# Altium PCB PCB4.PcbDoc
Units mm, origin at the board's own origin, x right, y up, seen from the top; angles counter-clockwise.
Board outline 152.4 x 101.6 mm, 2 copper layers (Top Layer, Bottom Layer); 41 components, 33 nets, 123 pads, 12 vias.
Unrouted connection lines stored in the file: 62.
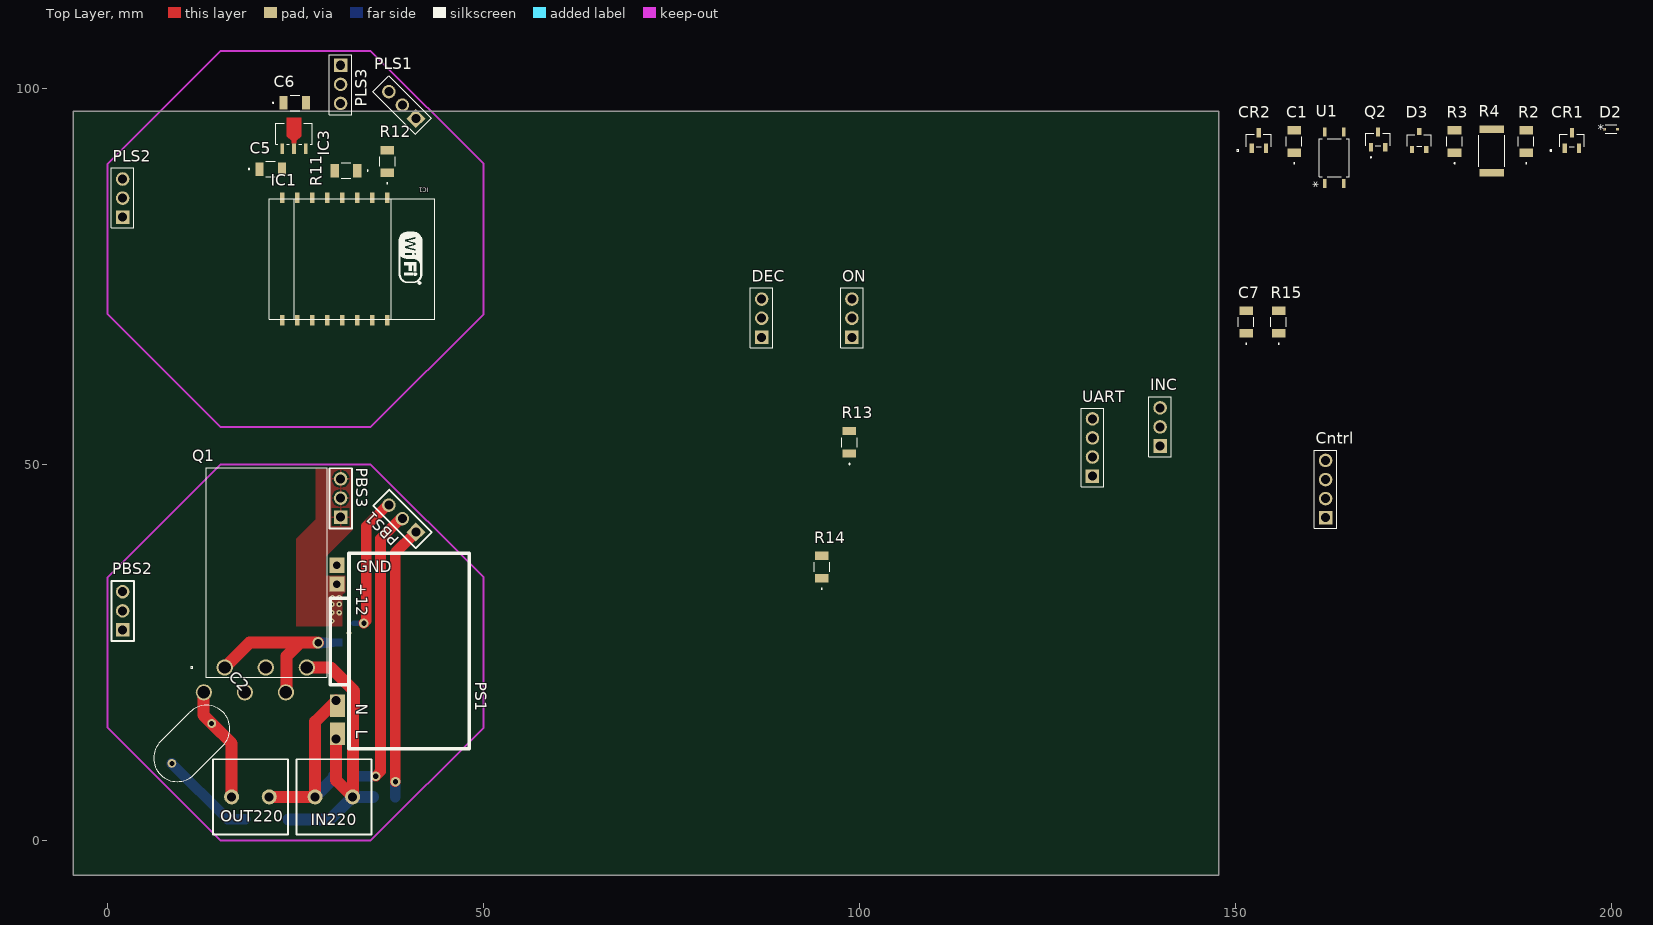
[diagram p0: Top Layer view]
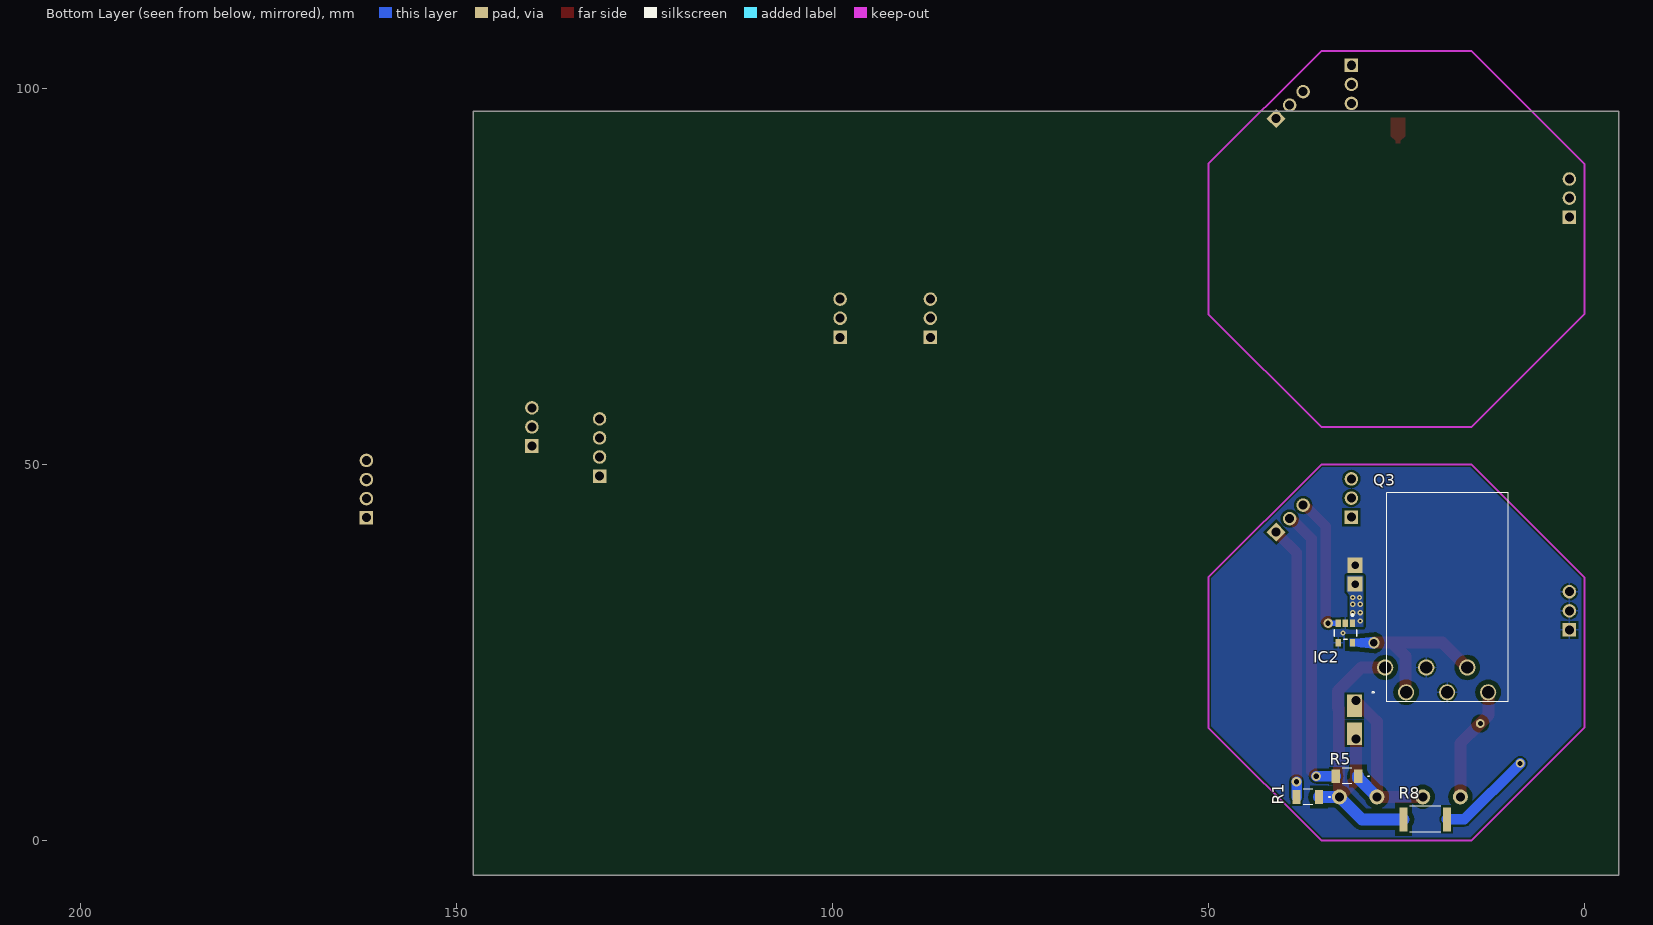
[diagram p1: Bottom Layer view, seen from below]

## Layer stack, top to bottom
Top Solder: solder mask 0.0102, Solder Resist, Dk 3.5
Top Layer: signal copper 0.0356
Dielectric 1: dielectric 0.32, FR-4, Dk 4.8
Bottom Layer: signal copper 0.0356
Bottom Solder: solder mask 0.0102, Solder Resist, Dk 3.5

## Board outline
-4.6,-4.6 147.8,-4.6 147.8,97 -4.6,97

## Design rules (kind name [scope] priority, off if disabled: settings)
Clearance Clearance_Polygons [(ObjectKind = 'Poly') And (Net = 'GNDA') vs (ObjectKind = 'Poly') And (Net = 'VCCA12')] p1: gap=0.25
Clearance "Clearance_IC2 Pads" [InPadClass('IC2 Pads')] p2: gap=0.25
Clearance "Clearance_PS1 Pads" [InPadClass('PS1 Pads')] p3: gap=0.254
Clearance "Clearance_Power Nets 0.8mm" [InNetClass('Power Nets')] p4: gap=0.6
Clearance "Clearance_Middle Nets" [InNetClass('Middle Nets')] p5: gap=0.3
Clearance [All] p6: gap=0.254
PolygonConnect "PolygonConnect_Power Pads" [InPadClass('Power Pads')] p1: connectstyle=Direct reliefconductorwidth=0.254 reliefentries=4 polygonreliefangle="90 Angle" airgapwidth=0.254
PolygonConnect "PolygonConnect_Via GNDA" [(ObjectKind = 'Via') And (Net = 'GNDA')] p2: connectstyle=Direct reliefconductorwidth=0.254 reliefentries=4 polygonreliefangle="90 Angle" airgapwidth=0.254
PolygonConnect "PolygonConnect_Via VCCA12" [(ObjectKind = 'Via') And (Net = 'VCCA12')] p3: connectstyle=Direct reliefconductorwidth=0.254 reliefentries=4 polygonreliefangle="90 Angle" airgapwidth=0.254
PolygonConnect [All] p4: connectstyle=Relief reliefconductorwidth=0.254 reliefentries=4 polygonreliefangle="90 Angle" airgapwidth=0.254
RoutingVias [All] p1: holewidth=0.711 width=1.27 viastyle="Through Hole" minholewidth=0.254 minwidth=0.7 maxholewidth=1.2 maxwidth=1.524
SolderMaskExpansion [All] p1: expansion=0.102
Width "Width_2mm Power Nets" [InNetClass('Power Nets')] p1: maxlimit=2.4 minlimit=1.6 preferedwidth=2
Width "Width_1mm Middle Nets" [All] p2: maxlimit=1.4 minlimit=0.7 preferedwidth=1
Width [All] p3: maxlimit=0.254 minlimit=0.254 preferedwidth=0.254
30 further rules are at their usual default settings.

## Classes and differential pairs
pad class "Power Pads": IC2-1 PS1-3 PS1-4
pad class "IC2 Pads": IC2-1 IC2-2 IC2-3
net class "Middle Nets": LOAD_CNTRLA NetPBS1_1 NetPBS1_2 VCCA12
net class "Power Nets": L_IN L_OUT N_IN NetIC2_5
pad class "PS1 Pads": PS1-1 PS1-2 PS1-3 PS1-4

## Components (designator, comment, footprint, x,y, rotation, side; value= is the part's Value field where it differs from the comment)
C1 "1206 0.47u" CAP_X7R_1206_AVX 157.817,92.959 r90 top
C2 "CK45-E3AD103ZYGNA (0.01u)" CAP_CK45E3103_TDK 11.2,12.9 r225 top
C5 "C-1206 (0.1u)" CAP_X7R_1206_AVX 21.7,89.3 r0 top
C6 "C-1206 0.33u" CAP_X7R_1206_AVX 24.9,98.1 r0 top
C7 "C-1206 0.47u" CAP_X7R_1206_AVX 151.442,68.959 r90 top
Cntrl "PLS-4" PLS-4 162,42.92 r90 top
CR1 "BAV99LT1G" SOT-23_TO-236_318-08_ONS 194.774,93.086 r0 top
CR2 "BAV99LT1G" SOT-23_TO-236_318-08_ONS 153.118,93.086 r0 top
D2 "1N4148WT" CR_SOD-523F_ONS 199.981,94.61 r0 top
D3 "BZX84C22VLFHT116" TRANS_BZX84_ROM 174.454,93.086 r0 top
DEC "PLS-3" PLS-3 86.995,69.525 r90 top
IC1 "ESP8266 ESP-07" "ESP8266 ESP-07" 42.733,85.322 r180 top
IC2 "FAN3100TSX" ON_Semi_527AH_0 31.8,27.6 r0 bottom
IC3 "L78L33ABUTR" SOT-89_STM 24.8,94 r0 top
IN220 "300-021-12" 300-021-12 25.1,0.8 r0 top
INC "PLS-3" PLS-3 139.995,55.065 r90 top
ON "PLS-3" PLS-3 98.995,69.525 r90 top
OUT220 "300-021-12" 300-021-12 14,0.8 r0 top
PBS1 "PBS-3" PBS-3 41,41 r135 top
PBS2 "PBS-3" PBS-3 2,28 r90 top
PBS3 "PBS-3" PBS-3 31,43 r90 top
PLS1 "PLS-3" PLS-3 39.154,97.838 r135 top
PLS2 "PLS-3" PLS-3 2,85.5 r90 top
PLS3 "PLS-3" PLS-3 31,100.5 r270 top
PS1 "220to12" 220to12 32.1,38.2 r270 top
Q1 "IRFP460APBF" TO-247AC_VIS 15.58,23 r0 top
Q2 "BC807-25,215" SOT23_BC807_NEX 168.993,93.213 r0 top
Q3 "IRFP460APBF" TO-247AC_VIS 23.72,19.7 r180 bottom
R1 "120k" CAP_X7R_1206_AVX 36.796,5.775 r0 bottom
R2 "10k" CAP_X7R_1206_AVX 188.678,92.959 r90 top
R3 "330k" CAP_X7R_1206_AVX 179.153,92.959 r90 top
R4 "R-2512 220" RES2512_TL_TYCO_TYC 184.106,91.689 r90 top
R5 "120k" CAP_X7R_1206_AVX 31.6,8.55 r0 bottom
R8 "220" RES2512_TL_TYCO_TYC 21.175,2.8 r0 bottom
R11 "10k" CAP_X7R_1206_AVX 31.7,89.1 r180 top
R12 "10k" CAP_X7R_1206_AVX 37.2,90.304 r90 top
R13 "10k" CAP_X7R_1206_AVX 98.675,52.959 r90 top
R14 "10k" CAP_X7R_1206_AVX 95,36.355 r90 top
R15 "10k" CAP_X7R_1206_AVX 155.76,68.959 r90 top
U1 "TLP183(GR-TPL,E" "4pin SO6_TOS" 163.151,90.8 r90 top
UART "PLS-4" PLS-4 131,48.46 r90 top

## Footprints (in the part's own frame and the unit in brackets; to place one, negate y for a bottom-side part, rotate by r counter-clockwise, add the part's x,y. Pads: shape width x height; smd on the part's side, far side on the other; paste and mask are expansions set on the pad)
"4pin SO6_TOS" [mil]
  rect 47.56x17.97 smd paste+0 mask+0: 1(-135.5,50) 3(-135.5,-50) 4(135.5,-50) 6(135.5,50)
  silkscreen extent -100,-78 100,78, body extent -138,-73 138,73, height 87
220to12 [mm]
  rect 3x2 hole 1.2 copper offset -0.7,0.2: 1(24.7,-1.7)
  rect 3x2 hole 1.2 copper offset 0.7,0.2: 2(19.6,-1.7)
  rect 2x2 hole 1: 3(4.1,-1.6) 4(1.6,-1.6)
  silkscreen extent 0,-2.5 26,16
300-021-12 [mm]
  round 2 hole 1.2: 1(2.5,5) 2(7.5,5)
  silkscreen extent 0,0 10,10
CAP_CK45E3103_TDK [mil]
  round 46 hole 26 mask+0: 1(-147.64,0) 2(147.64,0)
  silkscreen extent -232,-123 232,123, body extent 0,0 10,10, height 10
CAP_X7R_1206_AVX [mil]
  rect 43.78x71 smd paste+0 mask+0: 1(-58.89,0) 2(58.89,0)
  silkscreen extent -117,-40 25,40, body extent -67,-36 67,36, height 50
CR_SOD-523F_ONS [mil]
  rect 15.87x14 smd paste+0 mask+0: 1(-33.44,0) 2(33.44,0)
  silkscreen extent -30,-22 30,22, body extent -34,-17 34,17, height 28
"ESP8266 ESP-07" [mm] "ESP8266 ESP-01"
  rect 0.6x1.4 smd: 1(5.533,-0.178) 2(7.533,-0.178) 3(9.533,-0.178) 4(11.533,-0.178) 5(13.533,-0.178) 6(15.533,-0.178) 7(17.533,-0.178) 8(19.533,-0.178) 9(19.533,16.104) 10(17.533,16.104) 11(15.533,16.104) 12(13.533,16.104) 13(11.533,16.104) 14(9.533,16.104) 15(7.533,16.104) 16(5.533,16.104)
  silkscreen extent -0.8,-0.05 21.25,16, body extent -0.81,0.07 21.19,16.07, height 3.5
ON_Semi_527AH_0 [mm]
  rect 0.7x1 smd paste+0 mask+0: 1(-0.95,-1.3) 2(0,-1.3) 3(0.95,-1.3) 4(0.95,1.3) 5(-0.95,1.3)
  silkscreen extent -1.5,-2.5 1.5,0.85, body extent -1.45,-1.4 1.45,1.4, height 1.5
PBS-3 [mm]
  rect 1.8x1.8 hole 1.2: 1(0,0)
  round 1.8 hole 1.2: 2(2.54,0) 3(5.08,0)
  silkscreen extent -1.5,-1.5 6.5,1.5
PLS-3 [mm]
  rect 1.8x1.8 hole 1.2: 1(-2.605,-0.005)
  round 1.8 hole 1.2: 2(-0.065,-0.005) 3(2.475,-0.005)
  silkscreen extent -4.03,-1.5 3.97,1.5
PLS-4 [mm]
  rect 1.8x1.8 hole 1.2: 1(0,0)
  round 1.8 hole 1.2: 2(2.54,0) 3(5.08,0) 4(7.62,0)
  silkscreen extent -1.42,-1.5 9.01,1.5, body extent -1.28,-1.25 8.88,1.29, height 9.2
RES2512_TL_TYCO_TYC [mil]
  rect 39.87x126 smd paste+0 mask+0: 1(-113.94,0) 2(113.94,0)
  silkscreen extent -82,-68 82,68, body extent -126,-63 126,63, height 24
SOT23_BC807_NEX [mil]
  rect 21.36x45.56 smd paste+0 mask+0: 1(-37.5,-40) 2(37.5,-40) 3(0,40)
  silkscreen extent -64,-96 64,32, body extent -59,-49 59,49, height 43
SOT-23_TO-236_318-08_ONS [mil]
  rect 22.36x49.56 smd paste+0 mask+0: 1(-37.4,-41) 2(37.4,-41) 3(0,41)
  silkscreen extent -115,-57 65,32, body extent -60,-52 60,52, height 44
SOT-89_STM [mil]
  rect 19x54.87 smd paste+0 mask+0: 1(-61.81,-78.44) 3(61.81,-78.44)
  rect 22x54.87 smd paste+0 mask+0: 2(0,-78.44)
  Top Layer region: 11,-51 -11,-51 -11,-37 -36.98,-12.98 -36.98,82.78 36.98,82.78 36.98,-12.98 11,-37.98
  silkscreen extent -145,-88 96,56, body extent 0,0 10,10, height 10
TO-247AC_VIS [mil]
  round 85 hole 65 mask+0: 1(0,0) 2(214.96,0) 3(429.92,0)
  silkscreen extent -178,-50 535,1045, body extent -98,-14 527,1041, height 211
TRANS_BZX84_ROM [mil]
  rect 22x36 smd paste+0 mask+0: 1(-37.4,-47) 2(37.4,-47) 3(0,47)
  silkscreen extent -62,-30 62,30, body extent -57,-51 57,51, height 45

## Part data
C1 C5 C6 C7: library part C-1206, "No Description Available"
C2: library part CK45-E3AD103ZYGNA, "No Description Available"
CR1 CR2 D2 D3 IC3 Q1 Q2 Q3 U1: "No Description Available"
R1 R2 R3 R5 R11 R12 R13 R14 R15: library part R-1206, "R-1206"
R4 R8: library part R-2512, "No Description Available"

## Via types
v1: diameter 0.7, hole 0.3, Top Layer to Bottom Layer, 8 vias
v2: diameter 1.27, hole 0.711, Top Layer to Bottom Layer, 3 vias
v3: diameter 1.5, hole 1, Top Layer to Bottom Layer, 1 vias

## Nets (pads, with @x,y where several pads share a name; then routed paths per layer and width w, separated by ;. In a path a pad name is that pad's centre, name@x,y a point inside that pad or via, vN(x,y) a via of type N, cw(c..) or ccw(c..) an arc to the next point about the centre after c; other vN are vias at no path point)
BTN_DEC: DEC.1 IC1.5
BTN_INC: IC1.6 INC.1
BTN_ON: IC1.7 ON.1
DETECT_L: CR1.3 PLS1.1
DETECT_N: CR2.3 PLS1.2
DETECT_NULL: IC1.13 R2.1 U1.6
GND: C5.1 C6.1 C7.1 Cntrl.2 Cntrl.3 DEC.3 IC1.9 IC3.2 INC.3 ON.3 PLS2.1 PLS2.2 PLS2.3 R15.1 U1.4 UART.1
GNDA: IC2.2 IC2.4 PBS2.1 PBS2.2 PBS2.3 PS1.4 Q1.2 Q3.2
  other v1: 32.1,27.6
L_IN: IN220.2 PS1.1 Q1.3 R1.1 R8.2 | length 42.9
  Top Layer w1.6: Q1.3 29.675,23 32.8,19.875 32.8,17.606 32.654,17.46 32.654,5.8 IN220.2 30.4,8 PS1.1
  Bottom Layer w1.6: R8.2 29.6,2.8 IN220.2 35.275,5.8 R1.1
L_OUT: C2.1 OUT220.1 Q3.3 | length 15.5
  Top Layer w1.6: Q3.3 12.75,19.65 12.75,16.653 C2.1 16.5,12.903 OUT220.1
LOAD_CNTRL: IC1.4 PLS1.3
LOAD_CNTRLA: IC2.3 PBS1.3 | length 18.5
  Top Layer w1.4: v2(34.1,28.9) 34.4,29.2 34.4,41.8 37.192,44.592 PBS1.3
  Bottom Layer w0.7: IC2.3 v2(34.1,28.9)
MODE: IC1.14 UART.4
N_IN: IN220.1 OUT220.2 PS1.2 R5.1 | length 23.8
  Top Layer w1.6: OUT220.2 IN220.1 27.6,15.8 PS1.2
  Bottom Layer w1.6: IN220.1 30.104,8.304 R5.1
NetC1_1: C1.1 CR1.1 CR2.1 D3.2 R3.1 U1.3
NetC1_2: C1.2 D2.1 R4.1
NetC2_2: C2.2 R8.1 | length 12.8
  Bottom Layer w1.4: C2.2 8.548,10.216 15.964,2.8 R8.1
NetCntrl_1: Cntrl.1 IC1.1 R12.1
NetCntrl_4: Cntrl.4 IC1.12 R13.1
NetCR1_2: CR1.2 CR2.2 D2.2 D3.3 Q2.1 R3.2
NetIC1_3: IC1.3 R11.1
NetIC1_10: IC1.10 R15.2
NetIC1_11: IC1.11 R14.1
NetIC2_5: IC2.5 Q1.1 Q3.1 | length 21.2
  Top Layer w1.6: Q1.1 18.88,26.3 25.6,26.3 ; Q3.1 23.82,19.801 23.82,24.52 25.6,26.3 ; v3(28,26.3) 25.6,26.3
NetPBS1_1: PBS1.1 R1.2 | length 36.1
  Top Layer w1.4: v2(38.292,7.808) 38.292,38.292 PBS1.1@40.817,40.817
  Bottom Layer w1.4: R1.2 v2(38.292,7.808)
NetPBS1_2: PBS1.2 R5.2 | length 38.4
  Top Layer w1.4: v2(35.65,8.55) 36.3,9.2 36.3,40.1 38.95,42.75 PBS1.2@39.25,42.75
  Bottom Layer w1.4: R5.2 v2(35.65,8.55)
NetQ2_2: Q2.2 R4.2
NetQ2_3: Q2.3 U1.1
RX: IC1.15 UART.2
TX: IC1.16 UART.3
VCC3.3: C5.2 C7.2 DEC.2 IC1.8 IC3.1 INC.2 ON.2 R2.2 R11.2 R12.2 R13.2 R14.2
VCC12: C6.2 IC3.3 PLS3.1 PLS3.2 PLS3.3
VCCA12: IC2.1 PBS3.1 PBS3.2 PBS3.3 PS1.3
  other v1: 29.8,29.2 29.8,30.3 30.8,30.3 29.8,31.4 30.8,31.4 29.9,32.3 30.8,32.3
pads on no net: D3.1 IC1.2

## Polygon pours and split planes (outlines as drawn)
GNDA on Bottom Layer "Bottom GNDA" (solid, pour order 8): 15,50 35,50 50,35 50,15 35,0 15,0 0,15 0,35 15,50
VCCA12 on Bottom Layer "Bottom VCCA12" (solid, pour order 4): 31.2,29.4 31.2,32.6 31.6,33.1 31.6,35.2 29.4,35.2 29.4,28.4 31.2,28.4 31.2,32.6
VCCA12 on Top Layer "Top VCCA12" (solid, pour order 2): 32.6,49.4 32.6,45.4 32.6,41.5 32.6,41.3 29,37.7 29,35.2 31.6,35.2 31.6,33 29.4,33 31.6,33 31.6,31.8 31.6,33 31.2,32.7 31.2,28.5 30.5,28.5 25.1,28.5 25.1,40.1 27.7,42.7 27.7,49.5

## Keep-outs
Keep-Out Layer:
  lines w0.254: 0,15 15,0 35,0 50,15 50,35 35,50 15,50 0,35 0,15 ; 0,70 0,90 15,105 35,105 50,90 50,70 35,55 15,55 0,70

## Other copper
Bottom Layer:
  region net NetIC2_5: 31.2,26.8 30.5,26.8 27.9,27.1 27.9,25.5 29.8,25.7 30.5,25.8 31.2,25.8

## Text inside footprints (layer, text, board x,y; h text height)
D2: Top Overlay "*" at 198.232,93.975 h1.27; Mechanical 13 "*" at 199.27,93.975 h1.27
PS1: Top Overlay "GND" at 33.1,35.7 h1.52; Top Overlay "+12" at 33.1,34.2 h1.52 r270; Top Overlay "N" at 33.1,18.2 h1.52 r270; Top Overlay "L" at 33.1,14.7 h1.52 r270
U1: Top Overlay "*" at 161.552,86.787 h1.27 r90; Mechanical 13 "*" at 162.643,88.463 h1.27 r90